# Altium PCB CL-HC-M-V2.1.PcbDoc (part 8 of 19)
Units mil, origin at the board's own origin, x right, y up, seen from the top; angles counter-clockwise.
Board outline 27559.06 x 27559.06 mil, 2 copper layers (TopLayer, BottomLayer); 704 components, 528 nets, 2453 pads, 1851 vias.
Unrouted connection lines stored in the file: 126.
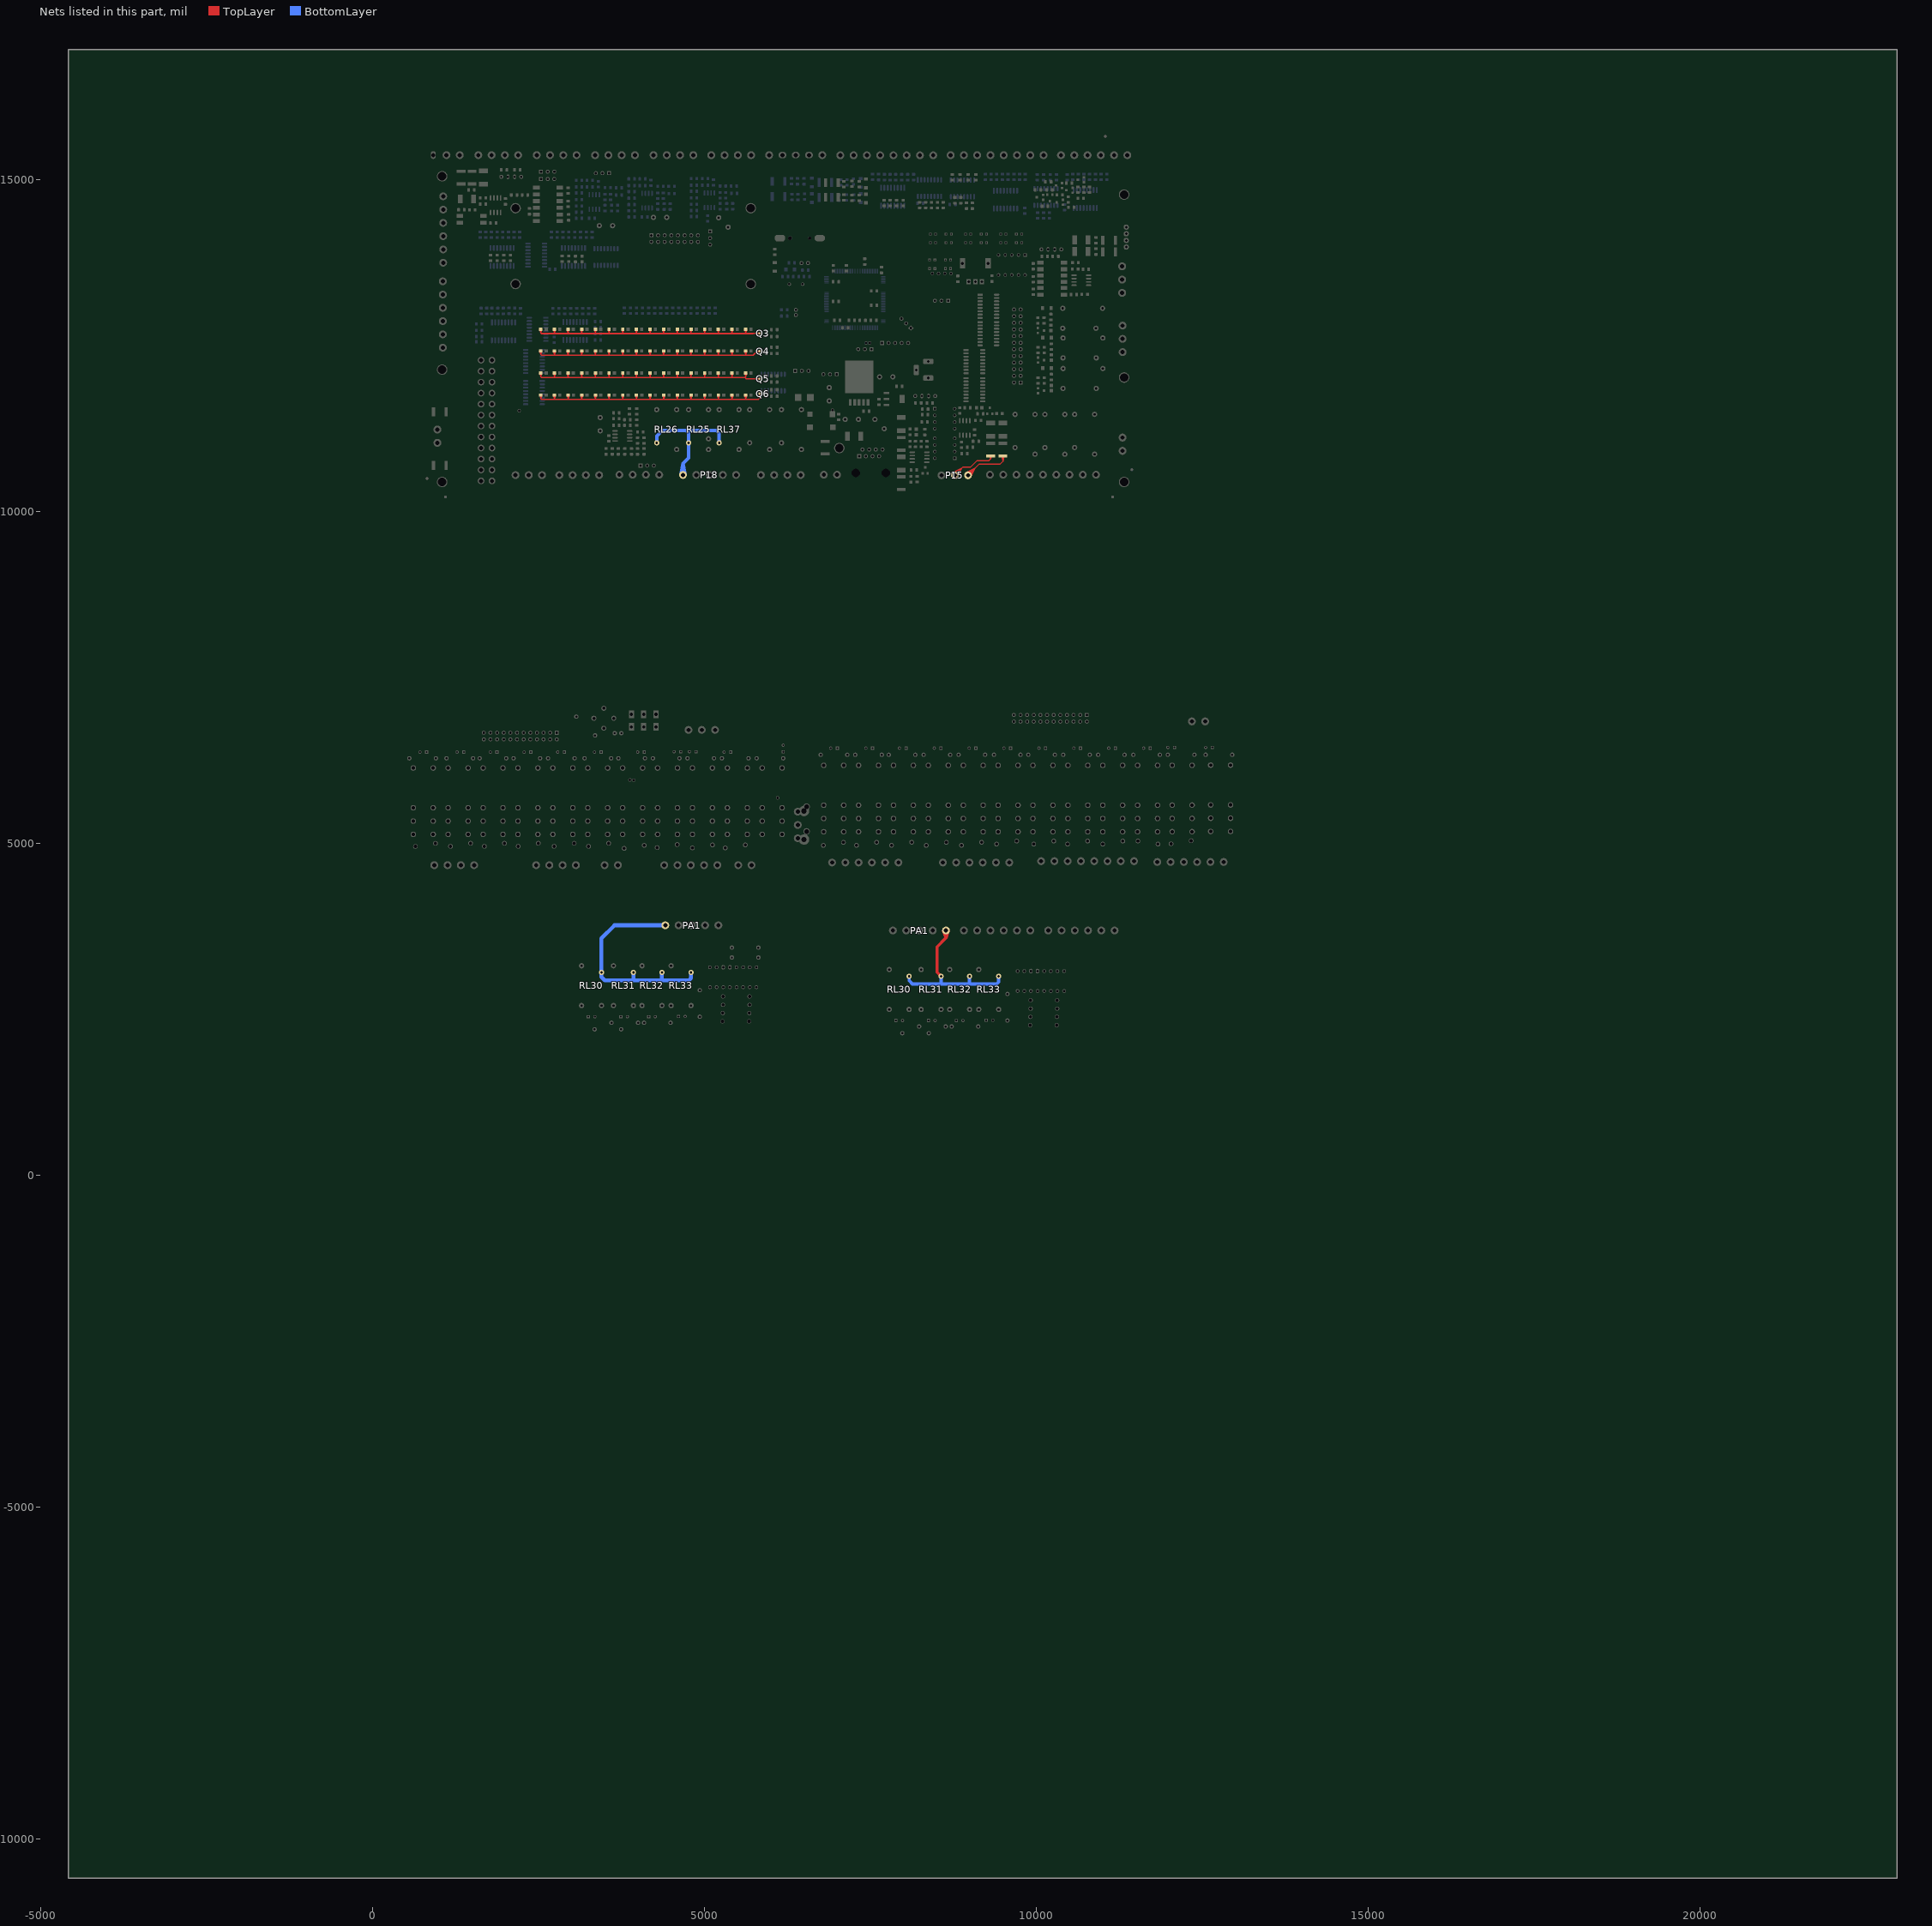
[diagram p8: the nets of this part, all layers, seen from the top]

## Via types
v1: diameter 25, hole 15, TopLayer to BottomLayer, tented both sides, 1813 vias
v2: diameter 20, hole 12, TopLayer to BottomLayer, tented both sides, 24 vias
v3: diameter 25, hole 15, TopLayer to BottomLayer, 13 vias
v4: diameter 40, hole 24, TopLayer to BottomLayer, tented both sides, 1 vias

## Nets (pads, with @x,y where several pads share a name; then routed paths per layer and width w, separated by ;. In a path a pad name is that pad's centre, name@x,y a point inside that pad or via, vN(x,y) a via of type N, cw(c..) or ccw(c..) an arc to the next point about the centre after c; other vN are vias at no path point) (continued)
COM1: LD1.A LD2.A LD3.A LD4.A LD5.A LD6.A LD7.A LD8.A LD9.A LD10.A LD11.A LD12.A LD13.A LD14.A LD15.A LD16.A Q3.1 | length 6489.8
  TopLayer w20: LD16.A@2520.45,12745.15 2535.32,12691.24 ; LD16.A@2535.32,12747.17 2535.32,12691.24 ; LD16.A@2550.18,12745.15 2535.32,12691.24 ; LD15.A@2726.24,12745.14 2741.11,12691.6 ; LD15.A@2755.97,12745.14 2741.11,12691.6 ; LD14.A@2932.03,12745.14 2946.9,12691.6 ; LD14.A@2961.76,12745.14 2946.9,12691.6 ; LD13.A@3137.82,12745.14 3152.69,12691.6 ; LD13.A@3167.55,12745.14 3152.69,12691.6 ; LD12.A@3343.62,12745.14 3358.48,12691.6 ; LD12.A@3358.48,12747.17 3358.48,12691.6 ; LD12.A@3373.34,12745.14 3358.48,12691.6 ; LD11.A@3549.41,12745.14 3564.27,12691.6 ; LD11.A@3579.13,12745.14 3564.27,12691.6 ; LD10.A@3755.2,12745.14 3770.06,12691.6 ; LD10.A@3770.06,12747.17 3770.06,12691.6 ; LD10.A@3784.92,12745.14 3770.06,12691.6 ; LD9.A@3960.99,12745.14 3975.85,12691.6 ; LD9.A@3975.85,12747.17 3975.85,12691.6 ; LD9.A@3990.71,12745.14 3975.85,12691.6 ; LD8.A@4166.78,12745.14 4181.64,12691.6 ; LD8.A@4181.64,12747.17 4181.64,12691.6 ; LD8.A@4196.5,12745.14 4181.64,12691.6 ; LD7.A@4372.57,12745.14 4387.43,12691.6 ; LD7.A@4387.43,12747.17 4387.43,12691.6 ; LD7.A@4402.29,12745.14 4387.43,12691.6 ; LD6.A@4578.36,12745.14 4593.22,12691.6 ; LD6.A@4593.22,12747.17 4593.22,12691.6 ; LD6.A@4608.08,12745.14 4593.22,12691.6 ; LD5.A@4784.15,12745.14 4799.01,12691.6 ; LD5.A@4799.01,12747.17 4799.01,12691.6 ; LD5.A@4813.87,12745.14 4799.01,12691.6 ; LD4.A@4989.94,12745.14 5004.8,12691.6 ; LD4.A@5004.8,12747.17 5004.8,12691.6 ; LD4.A@5019.67,12745.14 5004.8,12691.6 ; LD3.A@5195.73,12745.14 5210.59,12691.6 ; LD3.A@5210.59,12747.17 5210.59,12691.6 ; LD3.A@5225.46,12745.14 5210.59,12691.6 ; LD2.A@5401.52,12745.14 5416.38,12691.6 ; LD2.A@5416.38,12747.17 5416.38,12691.6 ; LD2.A@5431.25,12745.14 5416.38,12691.6 ; LD1.A@5607.31,12745.14 5622.17,12691.6 ; LD1.A@5622.17,12747.17 5622.17,12691.6 ; LD1.A@5637.04,12745.14 5622.17,12691.6 ; 5757.43,12685.45 Q3.1@5835.15,12685.45 ; Q3.1@5836.13,12685.45 5739.88,12685.45 5735.89,12681.46 5612.03,12681.46 ; 2535.32,12691.24 2545.09,12681.46 2751.25,12681.46 ; 2741.11,12691.6 2751.25,12681.46 ; 2741.11,12691.6 LD15.A@2741.11,12747.17 2741.11,12691.6 ; 2751.25,12681.46 2957.04,12681.46 ; 2946.9,12691.6 2957.04,12681.46 ; 2946.9,12691.6 LD14.A@2946.9,12747.17 2946.9,12691.6 ; 2957.04,12681.46 3162.83,12681.46 ; 3152.69,12691.6 3162.83,12681.46 ; 3152.69,12691.6 LD13.A@3152.69,12747.17 3152.69,12691.6 ; 3162.83,12681.46 3368.62,12681.46 ; 3358.48,12691.6 3368.62,12681.46 ; 3368.62,12681.46 3574.41,12681.46 ; 3564.27,12691.6 3574.41,12681.46 ; 3564.27,12691.6 LD11.A@3564.27,12747.17 3564.27,12691.6 ; 3574.41,12681.46 3780.2,12681.46 ; 3770.06,12691.6 3780.2,12681.46 ; 3780.2,12681.46 3985.99,12681.46 ; 3975.85,12691.6 3985.99,12681.46 ; 3985.99,12681.46 4191.78,12681.46 ; 4181.64,12691.6 4191.78,12681.46 ; 4191.78,12681.46 4397.57,12681.46 ; 4387.43,12691.6 4397.57,12681.46 ; 4397.57,12681.46 4603.36,12681.46 ; 4593.22,12691.6 4603.36,12681.46 ; 4603.36,12681.46 4809.15,12681.46 ; 4799.01,12691.6 4809.15,12681.46 ; 4809.15,12681.46 5014.94,12681.46 ; 5004.8,12691.6 5014.94,12681.46 ; 5014.94,12681.46 5220.73,12681.46 ; 5210.59,12691.6 5220.73,12681.46 ; 5220.73,12681.46 5426.52,12681.46 ; 5416.38,12691.6 5426.52,12681.46 ; 5426.52,12681.46 5612.03,12681.46 ; 5612.03,12681.46 5622.17,12691.6
COM2: LD17.A LD18.A LD19.A LD20.A LD21.A LD22.A LD23.A LD24.A LD25.A LD26.A LD27.A LD28.A LD29.A LD30.A LD31.A LD32.A Q4.1 | length 6806.9
  TopLayer w20: LD32.A@2520.45,12417.53 2535.32,12363.61 ; LD32.A@2535.32,12419.54 2535.32,12363.61 ; LD32.A@2550.18,12417.53 2535.32,12363.61 ; LD31.A@2726.24,12417.52 2741.11,12363.98 ; LD31.A@2755.97,12417.52 2741.11,12363.98 ; LD30.A@2932.03,12417.52 2946.9,12363.98 ; LD30.A@2961.76,12417.52 2946.9,12363.98 ; LD29.A@3137.82,12417.52 3152.69,12363.98 ; LD29.A@3167.55,12417.52 3152.69,12363.98 ; LD28.A@3343.61,12417.52 3358.48,12363.98 ; LD28.A@3373.34,12417.52 3358.48,12363.98 ; LD27.A@3549.41,12417.52 3564.27,12363.98 ; LD27.A@3579.13,12417.52 3564.27,12363.98 ; LD26.A@3755.2,12417.52 3770.06,12363.98 ; LD26.A@3770.06,12419.54 3770.06,12363.98 ; LD26.A@3784.92,12417.52 3770.06,12363.98 ; LD25.A@3960.99,12417.52 3975.85,12363.98 ; LD25.A@3975.85,12419.54 3975.85,12363.98 ; LD25.A@3990.71,12417.52 3975.85,12363.98 ; LD24.A@4166.78,12417.52 4181.64,12363.98 ; LD24.A@4196.5,12417.52 4181.64,12363.98 ; LD23.A@4372.57,12417.52 4387.43,12363.98 ; LD23.A@4402.29,12417.52 4387.43,12363.98 ; LD22.A@4578.36,12417.52 4593.22,12363.98 ; LD22.A@4593.22,12419.54 4593.22,12363.98 ; LD22.A@4608.08,12417.52 4593.22,12363.98 ; LD21.A@4784.15,12417.52 4799.01,12363.98 ; LD21.A@4799.01,12419.54 4799.01,12363.98 ; LD21.A@4813.87,12417.52 4799.01,12363.98 ; LD20.A@4989.94,12417.52 5004.8,12363.98 ; LD20.A@5019.66,12417.52 5004.8,12363.98 ; LD19.A@5195.73,12417.52 5210.59,12363.98 ; LD19.A@5225.45,12417.52 5210.59,12363.98 ; LD18.A@5401.52,12417.52 5416.38,12363.98 ; LD18.A@5431.24,12417.52 5416.38,12363.98 ; LD17.A@5607.31,12417.52 5622.17,12363.98 ; LD17.A@5622.17,12419.54 5622.17,12363.98 ; LD17.A@5637.04,12417.52 5622.17,12363.98 ; Q4.1@5835.15,12415.45 5797.51,12415.45 ; Q4.1@5836.13,12415.45 5797.51,12415.45 ; 2535.32,12363.61 2545.09,12353.84 2751.25,12353.84 ; 2741.11,12363.98 LD31.A@2741.11,12419.54 2741.11,12363.98 ; 2741.11,12363.98 2751.25,12353.84 ; 2751.25,12353.84 2957.04,12353.84 ; 2946.9,12363.98 LD30.A@2946.9,12419.54 2946.9,12363.98 ; 2946.9,12363.98 2957.04,12353.84 ; 2957.04,12353.84 3162.83,12353.84 ; 3152.69,12363.98 LD29.A@3152.69,12419.54 3152.69,12363.98 ; 3152.69,12363.98 3162.83,12353.84 ; 3162.83,12353.84 3368.62,12353.84 ; 3358.48,12363.98 LD28.A@3358.48,12419.54 3358.48,12363.98 ; 3358.48,12363.98 3368.62,12353.84 ; 3368.62,12353.84 3574.41,12353.84 ; 3564.27,12363.98 LD27.A@3564.27,12419.54 3564.27,12363.98 ; 3564.27,12363.98 3574.41,12353.84 ; 3574.41,12353.84 3780.2,12353.84 ; 3770.06,12363.98 3780.2,12353.84 ; 3780.2,12353.84 3985.99,12353.84 ; 3975.85,12363.98 3985.99,12353.84 ; 3985.99,12353.84 4191.78,12353.84 ; 4181.64,12363.98 LD24.A@4181.64,12419.54 4181.64,12363.98 ; 4181.64,12363.98 4191.78,12353.84 ; 4191.78,12353.84 4397.57,12353.84 ; 4387.43,12363.98 LD23.A@4387.43,12419.54 4387.43,12363.98 ; 4387.43,12363.98 4397.57,12353.84 ; 4397.57,12353.84 4603.36,12353.84 ; 4593.22,12363.98 4603.36,12353.84 ; 4603.36,12353.84 4809.15,12353.84 ; 4799.01,12363.98 4809.15,12353.84 ; 4809.15,12353.84 5014.94,12353.84 ; 5004.8,12363.98 LD20.A@5004.8,12419.54 5004.8,12363.98 ; 5004.8,12363.98 5014.94,12353.84 ; 5014.94,12353.84 5220.73,12353.84 ; 5210.59,12363.98 LD19.A@5210.59,12419.54 5210.59,12363.98 ; 5210.59,12363.98 5220.73,12353.84 ; 5220.73,12353.84 5426.52,12353.84 ; 5416.38,12363.98 LD18.A@5416.38,12419.54 5416.38,12363.98 ; 5416.38,12363.98 5426.52,12353.84 ; 5426.52,12353.84 5612.03,12353.84 ; 5612.03,12353.84 5735.89,12353.84 5797.51,12415.45 ; 5612.03,12353.84 5622.17,12363.98
COM3: LD33.A LD34.A LD35.A LD36.A LD37.A LD38.A LD39.A LD40.A LD41.A LD42.A LD43.A LD44.A LD45.A LD46.A LD47.A LD48.A Q5.1 | length 6552.1
  TopLayer w20: LD48.A@2520.45,12084.55 2535.32,12030.63 ; LD48.A@2535.32,12086.56 2535.32,12030.63 ; LD48.A@2550.18,12084.55 2535.32,12030.63 ; LD47.A@2726.24,12084.53 2741.11,12030.99 ; LD47.A@2755.97,12084.53 2741.11,12030.99 ; LD46.A@2932.03,12084.53 2946.9,12030.99 ; LD46.A@2961.76,12084.53 2946.9,12030.99 ; LD45.A@3137.83,12084.53 3152.69,12030.99 ; 3162.83,12020.85 3152.69,12030.99 ; LD45.A@3167.55,12084.53 3152.69,12030.99 ; LD44.A@3343.62,12084.53 3358.48,12030.99 ; LD44.A@3358.48,12086.56 3358.48,12030.99 ; 3368.62,12020.85 3358.48,12030.99 ; LD44.A@3373.34,12084.53 3358.48,12030.99 ; LD43.A@3549.41,12084.53 3564.27,12030.99 ; LD43.A@3579.13,12084.53 3564.27,12030.99 ; LD42.A@3755.2,12084.53 3770.06,12030.99 ; LD42.A@3770.06,12086.56 3770.06,12030.99 ; LD42.A@3784.92,12084.53 3770.06,12030.99 ; LD41.A@3960.99,12084.53 3975.85,12030.99 ; LD41.A@3975.85,12086.56 3975.85,12030.99 ; LD41.A@3990.71,12084.53 3975.85,12030.99 ; LD40.A@4166.78,12084.53 4181.64,12030.99 ; LD40.A@4181.64,12086.56 4181.64,12030.99 ; 4191.78,12020.85 4181.64,12030.99 ; LD40.A@4196.5,12084.53 4181.64,12030.99 ; LD39.A@4372.57,12084.53 4387.43,12030.99 ; LD39.A@4387.43,12086.56 4387.43,12030.99 ; 4397.57,12020.85 4387.43,12030.99 ; LD39.A@4402.29,12084.53 4387.43,12030.99 ; LD38.A@4578.36,12084.53 4593.22,12030.99 ; LD38.A@4593.22,12086.56 4593.22,12030.99 ; LD38.A@4608.08,12084.53 4593.22,12030.99 ; LD37.A@4784.15,12084.53 4799.01,12030.99 ; LD37.A@4799.01,12086.56 4799.01,12030.99 ; LD37.A@4813.87,12084.53 4799.01,12030.99 ; LD36.A@4989.94,12084.53 5004.8,12030.99 ; LD36.A@5019.66,12084.53 5004.8,12030.99 ; LD35.A@5195.73,12084.53 5210.59,12030.99 ; LD35.A@5210.59,12086.56 5210.59,12030.99 ; 5220.73,12020.85 5210.59,12030.99 ; LD35.A@5225.45,12084.53 5210.59,12030.99 ; LD34.A@5401.52,12084.53 5416.38,12030.99 ; LD34.A@5416.38,12086.56 5416.38,12030.99 ; 5426.52,12020.85 5416.38,12030.99 ; LD34.A@5431.24,12084.53 5416.38,12030.99 ; LD33.A@5607.31,12084.53 5622.17,12030.99 ; LD33.A@5622.17,12086.56 5622.17,12030.99 ; LD33.A@5637.04,12084.53 5622.17,12030.99 ; 5757.43,12000.45 Q5.1@5835.15,12000.45 ; Q5.1@5836.13,12000.45 5632.44,12000.45 5612.03,12020.85 ; 2535.32,12030.63 2545.09,12020.85 2751.25,12020.85 ; 2741.11,12030.99 2751.25,12020.85 ; 2741.11,12030.99 LD47.A@2741.11,12086.56 2741.11,12030.99 ; 2751.25,12020.85 2957.04,12020.85 ; 2946.9,12030.99 2957.04,12020.85 ; 2946.9,12030.99 LD46.A@2946.9,12086.56 2946.9,12030.99 ; 2957.04,12020.85 3574.41,12020.85 ; 3152.69,12030.99 LD45.A@3152.69,12086.56 3152.69,12030.99 ; 3564.27,12030.99 3574.41,12020.85 ; 3564.27,12030.99 LD43.A@3564.27,12086.56 3564.27,12030.99 ; 3574.41,12020.85 3780.2,12020.85 ; 3770.06,12030.99 3780.2,12020.85 ; 3780.2,12020.85 3985.99,12020.85 ; 3975.85,12030.99 3985.99,12020.85 ; 3985.99,12020.85 4603.36,12020.85 ; 4593.22,12030.99 4603.36,12020.85 ; 4603.36,12020.85 4809.15,12020.85 ; 4799.01,12030.99 4809.15,12020.85 ; 4809.15,12020.85 5014.94,12020.85 ; 5004.8,12030.99 5014.94,12020.85 ; 5004.8,12030.99 LD36.A@5004.8,12086.56 5004.8,12030.99 ; 5014.94,12020.85 5612.03,12020.85 ; 5612.03,12020.85 5622.17,12030.99
COM4: LD49.A LD50.A LD51.A LD52.A LD53.A LD54.A LD55.A LD56.A LD57.A LD58.A LD59.A LD60.A LD61.A LD62.A LD63.A LD64.A Q6.1 | length 6816.8
  TopLayer w20: LD64.A@2521,11751.56 2535.86,11697.65 ; LD64.A@2535.86,11753.58 2535.86,11697.65 ; LD64.A@2550.73,11751.56 2535.86,11697.65 ; LD63.A@2726.79,11751.55 2741.65,11698.01 ; LD63.A@2756.51,11751.55 2741.65,11698.01 ; LD62.A@2932.58,11751.55 2947.44,11698.01 ; LD62.A@2962.3,11751.55 2947.44,11698.01 ; LD61.A@3138.37,11751.55 3153.23,11698.01 ; LD61.A@3168.09,11751.55 3153.23,11698.01 ; LD60.A@3344.16,11751.55 3359.02,11698.01 ; LD60.A@3373.88,11751.55 3359.02,11698.01 ; LD59.A@3549.95,11751.55 3564.81,11698.01 ; LD59.A@3579.68,11751.55 3564.81,11698.01 ; LD58.A@3755.74,11751.55 3770.6,11698.01 ; LD58.A@3770.6,11753.58 3770.6,11698.01 ; LD58.A@3785.47,11751.55 3770.6,11698.01 ; LD57.A@3961.53,11751.55 3976.39,11698.01 ; LD57.A@3976.39,11753.58 3976.39,11698.01 ; LD57.A@3991.26,11751.55 3976.39,11698.01 ; LD56.A@4167.32,11751.55 4182.19,11698.01 ; LD56.A@4197.05,11751.55 4182.19,11698.01 ; LD55.A@4373.11,11751.55 4387.98,11698.01 ; LD55.A@4402.84,11751.55 4387.98,11698.01 ; LD54.A@4578.9,11751.55 4593.77,11698.01 ; LD54.A@4593.77,11753.58 4593.77,11698.01 ; LD54.A@4608.63,11751.55 4593.77,11698.01 ; LD53.A@4784.69,11751.55 4799.56,11698.01 ; LD53.A@4799.56,11753.58 4799.56,11698.01 ; LD53.A@4814.42,11751.55 4799.56,11698.01 ; LD52.A@4990.48,11751.55 5005.35,11698.01 ; LD52.A@5020.21,11751.55 5005.35,11698.01 ; LD51.A@5196.27,11751.55 5211.14,11698.01 ; LD51.A@5226,11751.55 5211.14,11698.01 ; LD50.A@5402.06,11751.55 5416.93,11698.01 ; LD50.A@5431.79,11751.55 5416.93,11698.01 ; LD49.A@5607.85,11751.55 5622.72,11698.01 ; LD49.A@5622.72,11753.58 5622.72,11698.01 ; LD49.A@5637.58,11751.55 5622.72,11698.01 ; Q6.1@5836.13,11775.45 5836.13,11711.73 5812.27,11687.87 5612.58,11687.87 ; 2535.86,11697.65 2545.64,11687.87 2751.79,11687.87 ; 2741.65,11698.01 2751.79,11687.87 ; 2741.65,11698.01 LD63.A@2741.65,11753.58 2741.65,11698.01 ; 2751.79,11687.87 2957.58,11687.87 ; 2947.44,11698.01 2957.58,11687.87 ; 2947.44,11698.01 LD62.A@2947.44,11753.58 2947.44,11698.01 ; 2957.58,11687.87 3163.37,11687.87 ; 3153.23,11698.01 3163.37,11687.87 ; 3153.23,11698.01 LD61.A@3153.23,11753.58 3153.23,11698.01 ; 3163.37,11687.87 3369.16,11687.87 ; 3359.02,11698.01 3369.16,11687.87 ; 3359.02,11698.01 LD60.A@3359.02,11753.58 3359.02,11698.01 ; 3369.16,11687.87 3574.95,11687.87 ; 3564.81,11698.01 3574.95,11687.87 ; 3564.81,11698.01 LD59.A@3564.81,11753.58 3564.81,11698.01 ; 3574.95,11687.87 3780.74,11687.87 ; 3770.6,11698.01 3780.74,11687.87 ; 3780.74,11687.87 3986.53,11687.87 ; 3976.39,11698.01 3986.53,11687.87 ; 3986.53,11687.87 4192.32,11687.87 ; 4182.19,11698.01 4192.32,11687.87 ; 4182.19,11698.01 LD56.A@4182.18,11753.58 4182.19,11698.01 ; 4192.32,11687.87 4398.11,11687.87 ; 4387.98,11698.01 4398.11,11687.87 ; 4387.98,11698.01 LD55.A@4387.97,11753.58 4387.98,11698.01 ; 4398.11,11687.87 4603.91,11687.87 ; 4593.77,11698.01 4603.91,11687.87 ; 4603.91,11687.87 4809.7,11687.87 ; 4799.56,11698.01 4809.7,11687.87 ; 4809.7,11687.87 5015.49,11687.87 ; 5005.35,11698.01 5015.49,11687.87 ; 5005.35,11698.01 LD52.A@5005.35,11753.58 5005.35,11698.01 ; 5015.49,11687.87 5221.28,11687.87 ; 5211.14,11698.01 5221.28,11687.87 ; 5211.14,11698.01 LD51.A@5211.14,11753.58 5211.14,11698.01 ; 5221.28,11687.87 5427.07,11687.87 ; 5416.93,11698.01 5427.07,11687.87 ; 5416.93,11698.01 LD50.A@5416.93,11753.58 5416.93,11698.01 ; 5427.07,11687.87 5612.58,11687.87 ; 5612.58,11687.87 5622.72,11698.01
C变频: P18.5 RL25.3 RL26.4 RL37.4 | length 2478.1
  BottomLayer w50: RL26.4@4282.76,11035.04 4282.76,11139.56 4363.92,11220.72 4720.78,11220.72 ; P18.5@4643.97,10555.03 4677.86,10723.85 ; P18.5@4711.75,10555.03 4677.86,10723.85 ; RL37.4@5222.76,11035.04 5222.76,11179.97 5182.01,11220.72 4720.78,11220.72 ; 4677.86,10723.85 4762.76,10808.74 RL25.3@4762.76,11035.04 4762.76,11178.74 4720.78,11220.72 ; 4677.86,10723.85 P18.5@4677.86,10551.66 4677.86,10723.85
C情报输出: PA1.1@4411.28,3765.37 PA1.5@8641.01,3686.87 RL30.4 RL31.4 RL32.4 RL33.4 | length 6097.3
  TopLayer w50: RL31.4@8566.41,2998.06 8506.41,3058.06 8506.41,3440.19 8641.01,3574.79 ; PA1.5@8607.35,3681.69 8641.01,3574.79 ; PA1.5@8641.01,3686.87 8641.01,3574.79 ; PA1.5@8674.67,3681.69 8641.01,3574.79
  BottomLayer w50: RL30.4@8085.68,2998.06 8085.68,2930.92 8136.41,2880.19 8566.24,2880.19 ; RL31.4@8566.41,2998.06 8566.41,2880.35 8566.24,2880.19 ; RL32.4@8996.08,2998.06 8996.08,2880.19 ; RL33.4@9434.8,2998.06 9434.8,2910.19 9404.8,2880.19 8996.08,2880.19 ; 8566.24,2880.19 8996.08,2880.19
  BottomLayer w60: RL31.4@3930.73,3055.46 3930.73,2937.75 3930.57,2937.59 ; RL32.4@4360.41,3055.46 4360.41,2937.59 ; PA1.1@4411.28,3765.37 3644.9,3765.37 3450,3570.47 RL30.4@3450,3055.46 3450,2988.32 3500.73,2937.59 3930.57,2937.59 ; RL33.4@4799.12,3055.46 4799.12,2967.59 4769.12,2937.59 4360.41,2937.59 ; 3930.57,2937.59 4360.41,2937.59
EX_A1: F11.1 P15.3 | length 1513.8
  TopLayer w20: P15.3@8944.13,10585.74 9073.86,10647.12 ; P15.3@8954.02,10568.16 9073.86,10647.12 ; P15.3@8972.38,10545.64 9142.9,10716.16 9457.65,10716.16 9498.46,10756.97 ; P15.3@8994.89,10527.28 9073.86,10647.12 ; P15.3@9012.48,10517.39 9073.86,10647.12 ; F11.1@9484.88,10837.37 9498.46,10756.97 ; F11.1@9512.03,10837.37 9498.46,10756.97 ; 9498.46,10756.97 F11.1@9498.46,10838.51 9498.46,10756.97
EX_B1: F10.1 P15.2 | length 1352.4
  TopLayer w20: P15.2@8744.13,10585.74 8873.86,10647.12 ; P15.2@8754.02,10568.16 8873.86,10647.12 ; P15.2@8772.38,10545.64 8897.38,10670.64 9013,10670.64 9110.72,10768.36 9287.38,10768.36 9312.92,10793.9 ; P15.2@8794.89,10527.28 8873.86,10647.12 ; P15.2@8812.48,10517.39 8873.86,10647.12 ; F10.1@9299.45,10836.81 9312.92,10793.9 ; F10.1@9312.92,10838.87 9312.92,10793.9 ; F10.1@9326.38,10836.81 9312.92,10793.9